# KiCad board main - copyOK.kicad_pcb (continued)
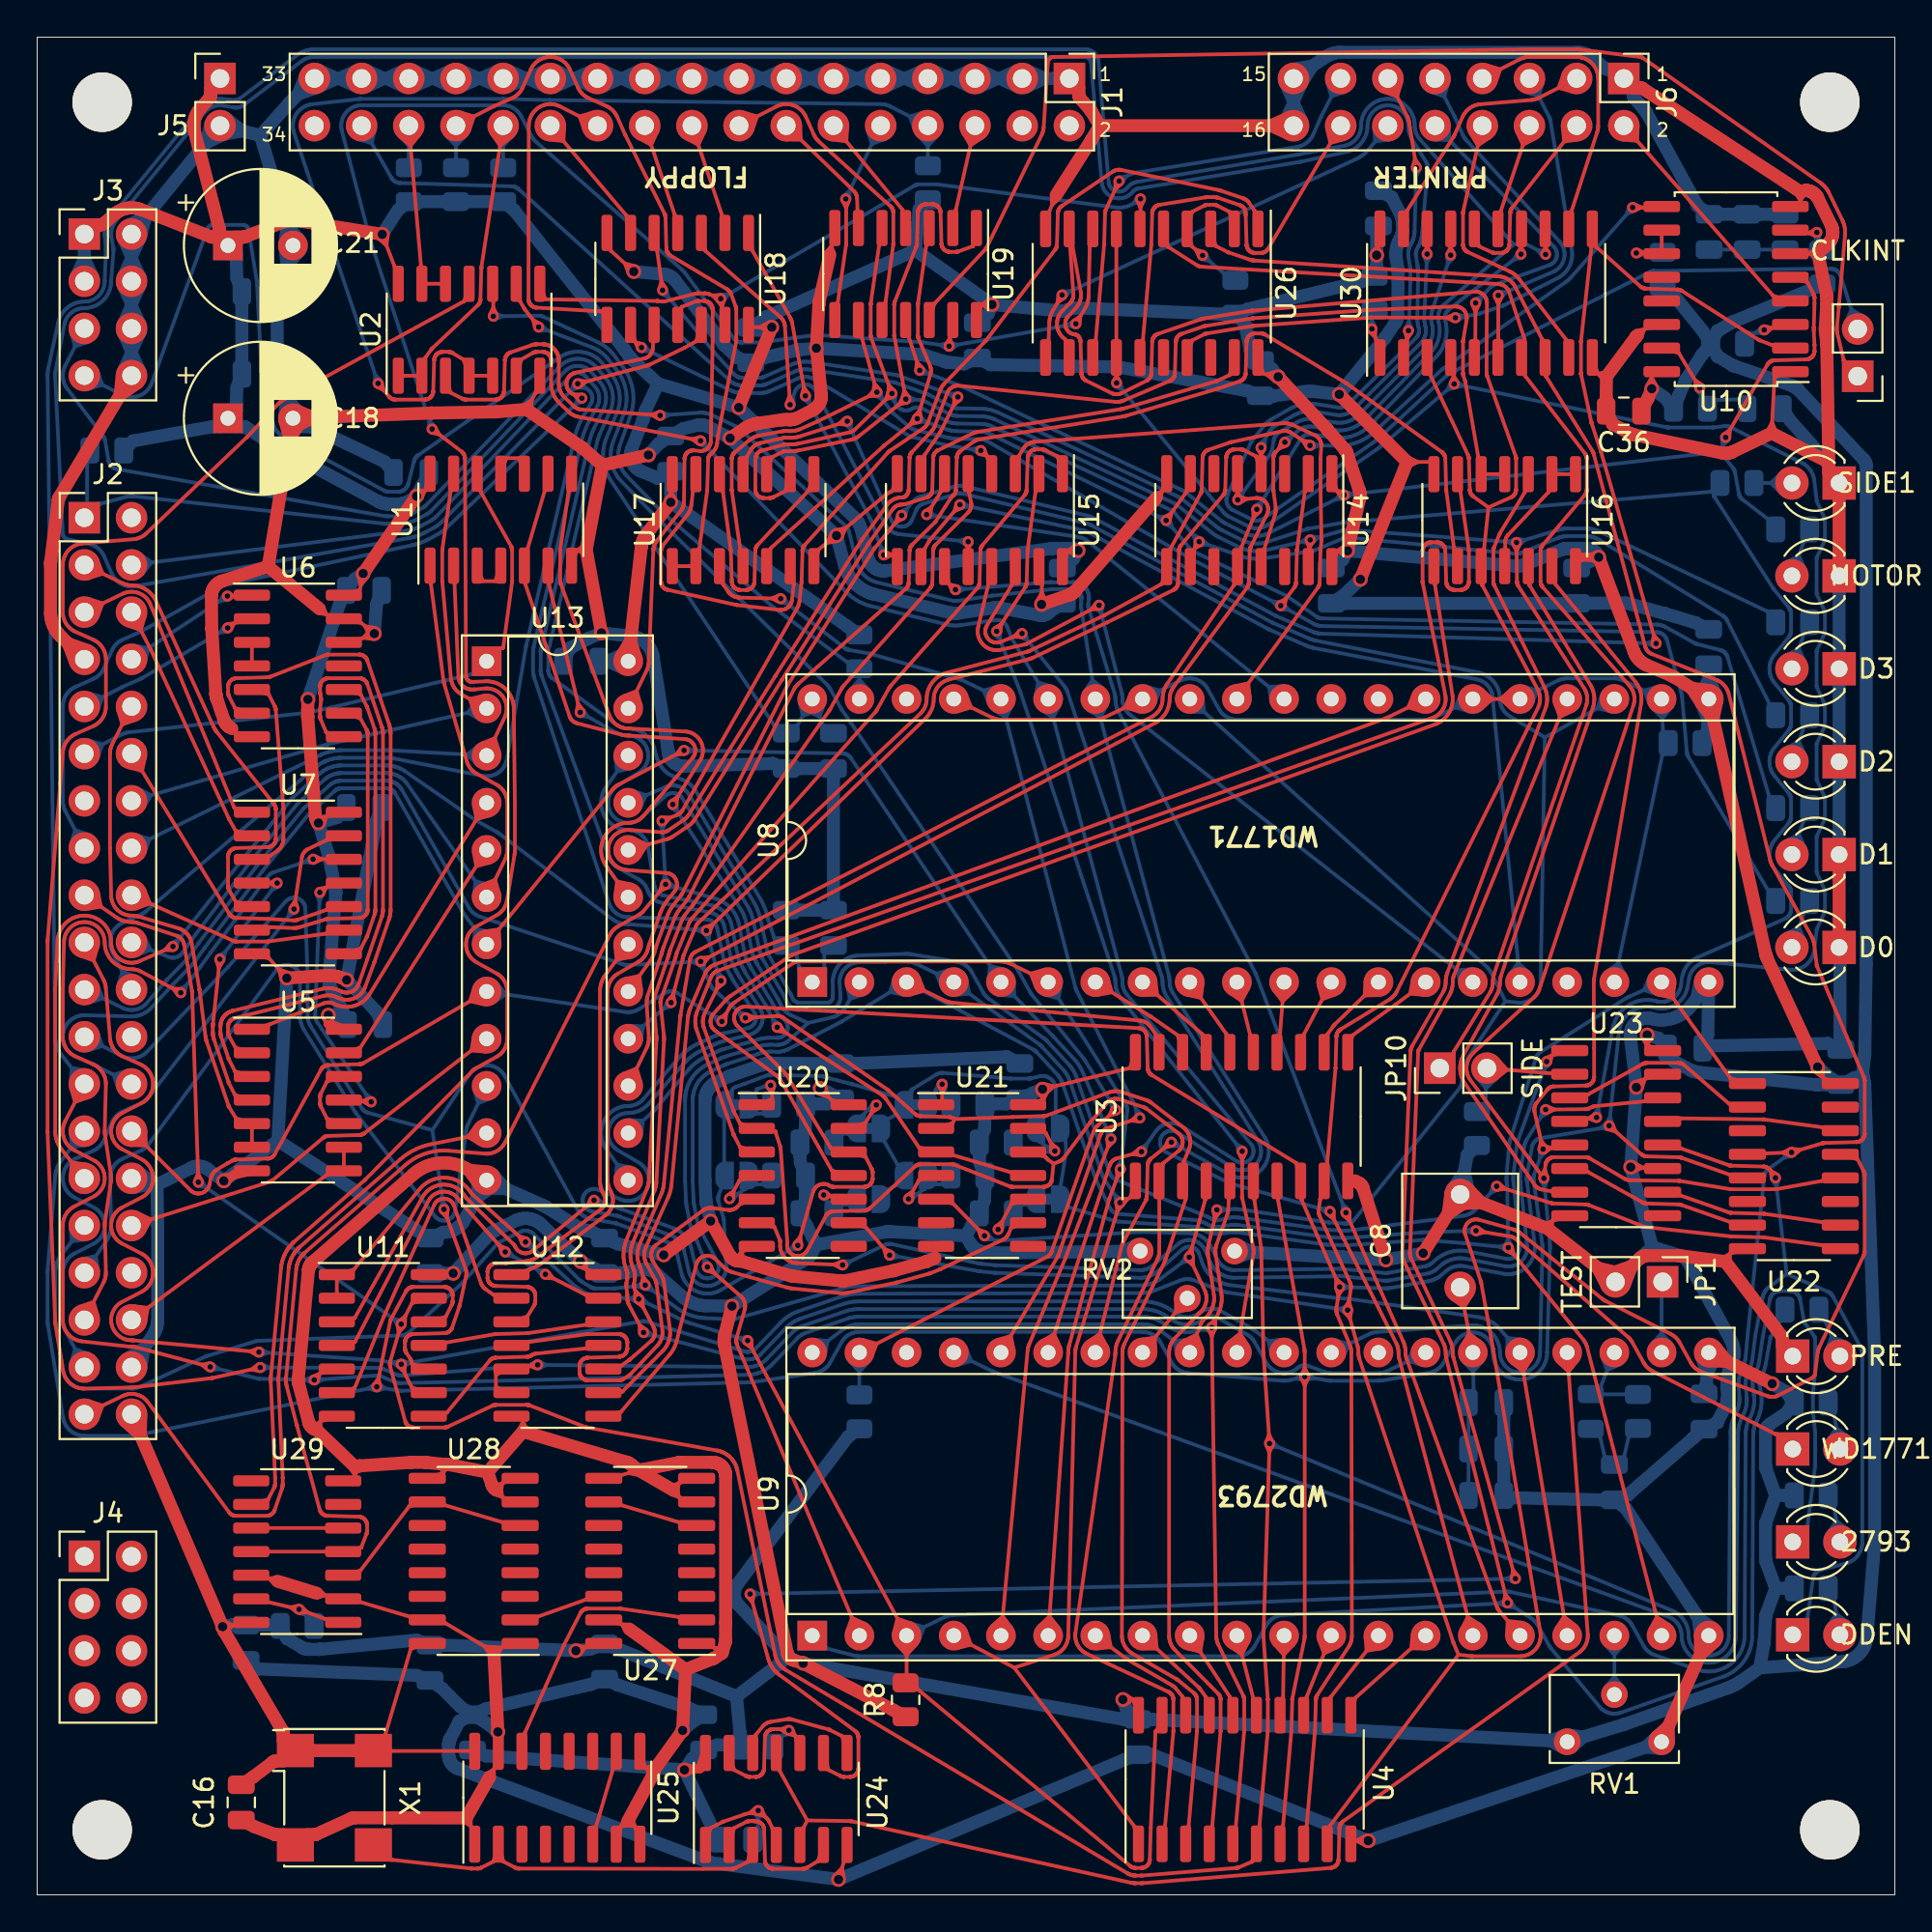
[diagram p0: board, top side]
## Routing (per net, layer and track width the routed paths; a pad name or vN(x,y) marks a point on that pad's centre or on a via; arc(x,y) is an arc through that point) (continued)
Net-(U1-Pad10): length 2.5
  Top w0.2: 26.23,76.5 25.93,77.34 25.26,77.34 24.96,76.5
Net-(U2-Pad3): length 103.3
  Top w0.2: v2(33.54,79.64) 29.28,79.96 29.25,79.96 29.22,79.97 29.19,79.97 29.16,79.98 29.13,79.99 29.1,80 29.07,80.01 29.05,80.02 29.02,80.04 28.99,80.05 28.97,80.07 28.95,80.09 28.92,80.1 28.9,80.12 28.4,80.61 28.36,80.64 28.33,80.68 28.29,80.72 28.26,80.76 28.23,80.81 28.21,80.85 28.18,80.9 28.16,80.94 28.14,80.99 28.13,81.04 28.11,81.09 28.1,81.14 28.09,81.19 28.09,81.24 28.08,81.29 28.08,81.34 28.08,82.5 28.08,82.6 28.08,82.64 28.08,82.66 28.07,82.71 28.07,82.73 28.07,82.75 28.06,82.77 28.06,82.79 28.05,82.84 28.04,82.86 28.04,82.88 28.03,82.9 28.02,82.92 28.01,82.94 27.99,82.98 27.98,83 27.97,83.02 27.96,83.04 27.95,83.05 27.94,83.07 27.91,83.11 27.9,83.13 27.89,83.14 27.88,83.16 27.86,83.18 27.85,83.19 27.82,83.22 27.8,83.24 27.79,83.25 27.77,83.27 27.75,83.28 27.74,83.29 27.7,83.32 27.68,83.33 27.66,83.34 27.65,83.35 27.63,83.36 27.61,83.37 27.56,83.4 27.54,83.4 27.53,83.41 27.51,83.42 27.49,83.43 27.47,83.43 27.42,83.44 27.4,83.45 27.38,83.45 27.36,83.46 27.34,83.46 27.32,83.46 27.27,83.47 27.23,83.47 27.21,83.47 26.91,83.47 26.87,83.47 26.83,83.47 26.8,83.46 26.78,83.46 26.76,83.46 26.74,83.45 26.72,83.45 26.66,83.43 26.63,83.42 25.49,83.03 25.46,83.02 ; v2(61.06,40.52) 59.95,39.63 59.93,39.61 59.9,39.58 59.88,39.56 59.86,39.52 59.84,39.5 59.83,39.48 59.81,39.44 59.81,39.42 59.8,39.4 59.79,39.37 59.79,39.34 59.78,39.29 59.78,39.28 59.73,37.59 59.73,37.57 59.73,37.53 59.72,37.51 59.72,37.49 59.71,37.45 59.7,37.43 59.69,37.41 59.67,37.37 58.47,35.15 58.45,35.11 58.44,35.08 58.42,35.05 58.41,35.01 58.4,34.98 58.38,34.94 58.38,34.9 U9.34 ; 33.44,79.46 33.06,79.67 33.47,79.83 ; 25.04,80.67 25.02,80.65 25,80.63 24.98,80.61 24.96,80.59 24.95,80.58 24.92,80.56 24.89,80.55 24.88,80.54 24.84,80.52 24.82,80.51 24.8,80.51 24.77,80.5 24.74,80.49 24.72,80.49 24.68,80.49 24.67,80.49 23.1,80.49 23.07,80.49 23.04,80.49 23.01,80.5 22.99,80.5 22.96,80.51 22.93,80.52 22.92,80.53 22.88,80.54 22.25,80.86 22.25,80.86 U2.3 ; 25.04,80.67 25.06,80.7 25.07,80.73 25.08,80.74 25.1,80.78 25.11,80.8 25.11,80.82 25.12,80.85 25.13,80.88 25.13,80.9 25.13,80.94 25.18,82.61 25.18,82.65 25.19,82.68 25.19,82.71 25.2,82.74 25.21,82.77 25.23,82.81 25.24,82.83 25.25,82.85 25.28,82.88 25.29,82.9 25.32,82.93 25.34,82.95 25.36,82.96 25.39,82.99 25.42,83 25.46,83.02 ; 57.58,29.53 57.21,30.2 56.57,29.78 ; 60.88,40.61 60.68,40.22 61.1,40.33
  Bottom w0.2: v2(33.54,79.64) 35.61,79.78 35.68,79.79 35.75,79.79 35.82,79.78 35.89,79.78 35.96,79.77 36.03,79.75 36.09,79.74 36.16,79.72 36.23,79.7 36.29,79.67 36.36,79.64 37.6,79.05 ; 33.61,79.82 34.02,79.67 33.63,79.46 ; 56.58,63.79 57.23,63.37 57.58,64.05 ; 57.4,64.92 56.8,65.4 56.38,64.76 ; v2(61.06,40.52) 64.17,38.78 64.25,38.74 64.33,38.7 64.41,38.67 64.49,38.65 64.58,38.63 64.67,38.61 64.75,38.6 64.84,38.6 64.93,38.6 65.02,38.6 65.11,38.62 65.19,38.63 65.28,38.66 65.36,38.68 65.44,38.72 65.52,38.75 65.6,38.8 65.67,38.84 65.74,38.9 65.81,38.95 65.88,39.01 65.94,39.08 65.99,39.14 66.05,39.22 66.09,39.29 66.14,39.37 66.17,39.45 66.21,39.53 66.24,39.61 66.26,39.7 66.28,39.78 66.29,39.87 66.3,39.96 66.3,40.05 66.29,40.13 66.28,40.22 66.27,40.31 66.25,40.39 66.22,40.48 66.19,40.56 66.16,40.64 66.12,40.72 66.07,40.79 61.13,48.55 61.1,48.6 61.08,48.64 61.06,48.69 61.04,48.74 61.02,48.78 61.01,48.83 60.99,48.88 60.98,48.93 60.97,48.98 60.97,49.03 60.96,49.08 60.96,49.13 60.96,49.19 60.96,49.24 60.95,49.3 60.95,49.35 60.94,49.4 60.93,49.46 60.91,49.51 ; 61.04,40.32 61.47,40.28 61.22,40.64 ; 60.91,49.51 U8.34 56.2,69.27 56.2,69.3 56.2,69.33 56.19,69.36 56.19,69.4 56.19,69.43 56.19,69.46 56.21,69.75 56.21,69.81 56.21,69.84 56.21,69.87 56.2,69.9 56.2,69.91 56.19,69.94 56.18,69.97 56.18,69.99 56.15,70.03 56.14,70.06 56.13,70.07 56.1,70.12 56.08,70.14 56.07,70.15 56.05,70.17 56.02,70.19 56,70.21 55.97,70.23 55.95,70.24 55.93,70.25 55.91,70.25 55.89,70.26 55.83,70.27 55.77,70.28 55.71,70.29 55.66,70.29 54.71,70.29 54.65,70.29 54.59,70.28 51.44,69.94 51.4,69.93 51.36,69.93 49.53,69.65 49.5,69.65 49.47,69.65 49.45,69.65 49.42,69.65 49.39,69.65 49.37,69.65 49.34,69.65 49.32,69.66 49.29,69.66 45.21,70.65 45.13,70.67 45.05,70.7 44.98,70.73 44.9,70.77 44.83,70.8 44.75,70.85 44.69,70.89 44.62,70.94 44.56,71 44.49,71.06 44.44,71.12 44.38,71.18 44.33,71.25 44.29,71.32 44.24,71.39 44.21,71.46 44.17,71.54 44.14,71.62 44.11,71.69 44.09,71.77 43.72,73.33 43.71,73.37 43.7,73.4 43.69,73.43 43.67,73.47 43.66,73.5 43.64,73.53 43.62,73.56 43.6,73.59 43.58,73.62 43.56,73.64 43.53,73.67 43.51,73.69 37.78,78.94 37.76,78.95 37.74,78.97 37.72,78.99 37.7,79 37.68,79.02 37.65,79.03 37.63,79.04 37.61,79.05
Net-(U2-Pad6): length 93.9
  Top w0.2: v2(35.71,78.27) 29.12,79.57 29.08,79.58 29.03,79.59 28.99,79.6 28.94,79.62 28.9,79.64 28.85,79.66 28.81,79.68 28.77,79.71 28.73,79.74 28.69,79.77 28.65,79.8 28.62,79.83 28.11,80.31 28.06,80.36 28.01,80.41 27.97,80.47 27.93,80.53 27.89,80.59 27.85,80.65 27.82,80.72 27.79,80.78 27.76,80.85 27.74,80.92 27.72,80.99 27.7,81.06 27.69,81.13 27.68,81.2 27.67,81.27 27.67,81.34 27.67,82.5 27.67,82.61 27.67,82.63 27.67,82.66 27.66,82.69 27.66,82.71 27.65,82.74 27.64,82.77 27.63,82.78 27.62,82.81 27.6,82.84 27.59,82.85 27.57,82.88 27.56,82.9 27.54,82.92 27.52,82.94 27.5,82.96 27.46,82.98 27.44,83 27.42,83.01 ; U2.6 26.08,82.66 26.68,83 26.72,83.02 26.74,83.03 26.77,83.04 26.81,83.05 26.84,83.06 26.89,83.06 26.91,83.06 27.21,83.06 27.24,83.06 27.27,83.06 27.3,83.05 27.32,83.05 27.35,83.04 27.38,83.03 27.42,83.01 ; 55.06,29.48 54.75,30.18 54.08,29.8 ; v2(59.45,40) 58.15,39.66 58.12,39.65 58.09,39.63 58.06,39.62 58.03,39.61 58,39.59 57.97,39.57 57.94,39.55 57.92,39.53 57.89,39.51 57.87,39.49 57.84,39.46 57.82,39.43 57.8,39.41 57.79,39.38 57.77,39.35 57.76,39.32 57.74,39.29 57.73,39.26 U9.35 ; 59.41,39.81 58.98,39.88 59.32,40.16 ; 35.67,78.47 35.24,78.37 35.6,78.11
  Bottom w0.2: 54.62,65.04 53.89,65.27 53.74,64.51 ; 55.04,64.05 54.69,63.37 54.04,63.79 ; 58.37,49.51 58.39,49.46 58.4,49.4 58.41,49.35 58.41,49.3 58.42,49.24 58.42,49.19 58.42,49.13 58.42,49.08 58.43,49.03 58.43,48.97 58.44,48.92 58.45,48.87 58.47,48.82 58.49,48.77 58.51,48.72 58.53,48.67 58.55,48.62 58.58,48.57 58.61,48.53 58.64,48.49 58.67,48.44 65.34,40.42 65.36,40.39 65.38,40.36 65.4,40.32 65.42,40.29 65.43,40.26 65.45,40.22 65.46,40.18 65.46,40.15 65.47,40.11 65.48,40.07 65.48,40.04 65.48,40 65.47,39.96 65.47,39.92 65.46,39.89 65.45,39.85 65.44,39.82 65.43,39.78 65.41,39.75 65.39,39.71 65.37,39.68 65.35,39.65 65.32,39.62 65.3,39.6 65.27,39.57 65.24,39.55 65.21,39.52 65.18,39.5 65.15,39.49 65.11,39.47 65.08,39.45 65.04,39.44 65.01,39.43 64.97,39.43 64.93,39.42 64.9,39.42 64.86,39.42 64.82,39.42 64.78,39.42 64.75,39.43 64.71,39.44 64.67,39.45 64.64,39.46 64.6,39.48 64.57,39.49 64.54,39.51 61.6,41.38 61.55,41.41 61.5,41.44 61.44,41.46 61.39,41.48 61.33,41.5 61.27,41.52 61.21,41.53 61.15,41.53 61.09,41.54 61.04,41.54 60.98,41.54 60.92,41.53 60.86,41.52 60.8,41.51 60.74,41.49 60.69,41.47 60.63,41.45 60.58,41.42 60.52,41.39 60.47,41.36 60.43,41.32 60.38,41.28 60.34,41.24 60.3,41.2 60.26,41.15 60.22,41.11 v2(59.45,40) ; 35.9,78.34 36.05,77.93 35.64,78.09 ; 49.72,68.35 51.56,68.62 51.59,68.63 51.63,68.63 51.66,68.63 51.69,68.63 51.73,68.62 51.76,68.62 51.79,68.61 51.83,68.6 51.86,68.59 51.89,68.58 51.92,68.56 51.95,68.55 51.98,68.53 52.01,68.51 52.04,68.49 52.06,68.47 52.09,68.44 52.11,68.42 52.13,68.39 52.15,68.37 52.17,68.34 52.19,68.31 52.2,68.28 52.22,68.25 52.45,67.67 52.46,67.64 52.48,67.61 52.49,67.58 U8.35 58.37,49.51 ; 59.34,40.18 59.72,40.4 59.64,39.97 ; v2(35.71,78.27) 43.52,70.16 43.62,70.06 43.72,69.98 43.82,69.89 43.93,69.81 44.04,69.74 44.16,69.67 44.27,69.6 44.4,69.54 44.52,69.49 44.64,69.44 44.77,69.4 44.9,69.37 48.98,68.38 49.06,68.36 49.14,68.35 49.22,68.34 49.31,68.33 49.39,68.33 49.47,68.33 49.56,68.33 49.64,68.34 49.72,68.35
Net-(U3-Pad11): length 7.3
  Top w0.2: 74.05,49.27 73.91,48.51 74.67,48.44 ; U8.14 73.11,47.92 73.09,47.9 70.82,46.28 U3.11
Net-(U3-Pad12): length 6.5
  Top w0.2: 71.5,49.18 71.46,48.41 72.22,48.43 ; U3.12 69.47,46.34 69.47,46.34 69.76,46.75 69.78,46.77 69.79,46.79 69.8,46.81 69.82,46.82 69.83,46.84 69.85,46.85 U8.13
Net-(U3-Pad13): length 5.7
  Top w0.2: 68.98,48.96 69.18,48.21 69.9,48.48 ; U8.12 68.2,46.34 68.2,46.34 U3.13
Net-(U3-Pad14): length 5.3
  Top w0.2: U8.11 66.9,46.34 U3.14 ; 67.6,48.62 67.04,48.1 66.57,48.7
Net-(U3-Pad15): length 5.4
  Top w0.2: U8.10 65.28,46.34 U3.15 ; 65.2,48.8 64.83,48.13 64.19,48.55
Net-(U3-Pad16): length 6
  Top w0.2: 61.89,48.45 62.64,48.28 62.74,49.05 ; U3.16 64.01,46.34 64.01,46.34 U8.9
Net-(U3-Pad17): length 6.8
  Top w0.2: U3.17 62.72,46.33 62.71,46.34 U8.8 ; 60.2,49.21 60.29,48.45 59.52,48.43
Net-(U3-Pad18): length 7.8
  Top w0.2: U3.18 61.39,46.28 59.97,47.27 59.93,47.29 59.92,47.3 U8.7 ; 57.09,48.45 57.85,48.59 57.64,49.33
Net-(U4-Pad11): length 7.6
  Top w0.2: 74.05,14.03 73.96,13.27 74.73,13.25 ; U9.14 70.97,10.61 U4.11
Net-(U4-Pad12): length 6.7
  Top w0.2: U9.13 69.64,10.66 69.63,10.65 U4.12 ; 71.5,13.9 71.56,13.13 72.32,13.27
Net-(U4-Pad13): length 6.1
  Top w0.2: 69.01,13.71 69.27,12.99 69.97,13.32 ; U9.12 68.34,10.66 68.34,10.66 U4.13
Net-(U4-Pad14): length 5.8
  Top w0.2: U9.11 67.07,10.66 U4.14 ; 66.6,13.49 67.11,12.92 67.63,13.48
Net-(U4-Pad15): length 6
  Top w0.2: 65.2,13.63 64.85,12.95 64.2,13.37 ; U9.10 65.45,10.65 U4.15
Net-(U4-Pad16): length 6.5
  Top w0.2: 62.73,13.84 62.61,13.09 61.87,13.28 ; U9.9 64.2,10.66 64.2,10.66 U4.16
Net-(U4-Pad17): length 7.3
  Top w0.2: 59.5,13.25 60.27,13.25 60.2,14.02 ; U9.8 62.51,11.18 62.53,11.16 62.55,11.15 62.56,11.13 62.57,11.12 62.59,11.1 62.6,11.08 62.61,11.07 62.9,10.66 62.91,10.65 U4.17
Net-(U4-Pad18): length 8.3
  Top w0.2: 58.74,12.64 58.71,12.66 58.68,12.68 58.65,12.7 58.62,12.72 58.59,12.74 U9.7 ; 57.65,14.09 57.8,13.33 57.03,13.26 ; 58.74,12.64 61.09,11.28 61.12,11.27 61.14,11.25 61.16,11.23 61.19,11.22 61.21,11.2 61.23,11.18 61.25,11.16 61.27,11.14 61.29,11.12 61.66,10.66 61.66,10.66 U4.18
Net-(U5-Pad2): length 38.6
  Top w0.2: U5.2 10.67,45.61 10.33,46.22 10.32,46.25 10.31,46.28 10.3,46.3 10.29,46.35 10.28,46.37 10.28,46.42 10.28,46.44 10.28,46.74 10.28,46.77 10.28,46.81 10.28,46.83 10.29,46.85 10.3,46.88 10.31,46.91 10.32,46.95 10.34,46.97 10.35,47 10.37,47.03 10.39,47.05 10.41,47.07 10.43,47.09 10.45,47.11 10.49,47.13 10.51,47.15 10.55,47.17 10.58,47.18 10.6,47.19 10.63,47.19 15.42,48.39 15.47,48.4 15.52,48.41 15.58,48.42 15.63,48.42 15.69,48.42 15.74,48.42 15.8,48.42 15.85,48.41 15.9,48.4 15.96,48.38 16.01,48.37 16.06,48.35 16.11,48.33 16.16,48.31 16.17,48.3 16.23,48.27 16.29,48.25 16.35,48.23 16.41,48.21 16.47,48.2 16.53,48.19 16.59,48.19 16.65,48.18 16.72,48.18 16.78,48.19 16.84,48.2 16.9,48.21 16.96,48.23 17.02,48.25 17.08,48.27 17.13,48.29 17.19,48.32 17.24,48.36 17.29,48.39 17.34,48.43 17.39,48.47 17.43,48.51 17.48,48.56 17.51,48.61 17.55,48.66 17.58,48.71 17.61,48.77 17.64,48.82 17.66,48.88 18.15,50.21 18.16,50.22 18.94,52.51 18.95,52.55 18.96,52.59 18.97,52.62 18.98,52.67 18.99,52.71 19,52.75 19.01,52.8 19.01,52.84 19.02,52.89 19.02,52.94 19.02,52.97 19.03,52.99 19.03,53.02 19.03,53.05 19.03,62.49 19.03,62.52 19.03,62.55 19.02,62.57 19.02,62.6 19.02,62.65 19.01,62.7 19.01,62.74 19,62.79 18.99,62.83 18.98,62.87 18.97,62.93 18.96,62.97 18.95,63.01 18.94,63.03 17.77,66.45 17.76,66.48 17.74,66.52 17.73,66.54 17.72,66.56 17.7,66.58 17.68,66.61 17.67,66.62 17.65,66.64 17.63,66.66 17.59,66.69 17.57,66.7 17.54,66.71 17.51,66.73 17.48,66.74 17.47,66.74 17.43,66.75 17.41,66.76 17.36,66.76 17.34,66.76 15.69,66.76 15.66,66.76 15.62,66.76 15.6,66.75 15.58,66.75 15.54,66.74 15.52,66.73 12.55,65.57 12.52,65.56 12.48,65.55 12.46,65.55 12.44,65.54 12.4,65.54 10.73,65.49 10.68,65.49 10.66,65.49 10.63,65.48 10.6,65.47 10.57,65.46 10.53,65.44 10.51,65.43 10.48,65.42 10.45,65.4 10.43,65.38 10.41,65.36 10.39,65.33 10.37,65.32 10.35,65.28 10.33,65.25 10.31,65.21 10.3,65.19 10.29,65.16 10.29,65.13 10.28,65.1 10.28,65.05 10.28,65.03 10.28,64.73 10.28,64.71 10.28,64.67 10.28,64.64 10.29,64.63 10.3,64.59 10.31,64.57 10.32,64.52 10.33,64.52 10.65,63.89 10.65,63.88 U6.6
Net-(U5-Pad3): length 34.8
  Top w0.2: 17.54,65.44 17.57,65.43 17.59,65.42 17.62,65.4 17.64,65.38 17.65,65.37 17.68,65.34 17.69,65.32 17.71,65.31 17.73,65.28 17.74,65.25 17.75,65.24 17.76,65.2 17.77,65.18 18.55,62.9 18.56,62.85 18.58,62.81 18.58,62.78 18.59,62.75 18.6,62.71 18.6,62.68 18.61,62.65 18.61,62.62 18.61,62.57 18.62,62.53 18.62,62.49 18.62,53.05 18.62,53.01 18.61,52.97 18.61,52.92 18.61,52.89 18.6,52.86 18.6,52.83 18.59,52.79 18.58,52.76 18.57,52.72 18.56,52.69 18.55,52.64 17.77,50.36 17.77,50.35 17.31,49.03 17.29,48.99 17.28,48.95 17.26,48.92 17.24,48.88 17.21,48.85 17.19,48.82 17.16,48.79 17.13,48.76 17.1,48.73 17.07,48.71 17.04,48.68 17.01,48.66 16.97,48.64 16.93,48.62 16.9,48.61 16.86,48.6 16.82,48.59 16.78,48.58 16.74,48.57 16.7,48.57 16.66,48.57 16.62,48.57 16.58,48.57 16.54,48.58 16.5,48.59 16.46,48.6 16.42,48.61 16.39,48.63 16.35,48.64 16.34,48.65 16.27,48.68 16.2,48.71 16.13,48.73 16.06,48.76 15.99,48.77 15.92,48.79 15.84,48.8 15.77,48.8 15.7,48.81 15.62,48.81 15.55,48.8 15.48,48.79 15.4,48.78 15.33,48.77 10.54,47.59 10.5,47.58 10.48,47.58 10.46,47.57 10.44,47.56 10.42,47.56 10.4,47.55 10.35,47.53 10.34,47.52 10.32,47.51 10.3,47.5 10.28,47.49 10.27,47.48 10.22,47.45 10.21,47.43 10.19,47.42 10.18,47.41 10.16,47.4 10.15,47.38 10.11,47.35 10.1,47.33 10.08,47.32 10.07,47.3 10.06,47.29 10.05,47.27 10.01,47.23 10,47.21 9.99,47.2 9.98,47.18 9.97,47.16 9.96,47.14 9.94,47.1 9.93,47.08 9.92,47.06 9.92,47.04 9.91,47.02 9.9,47 9.89,46.96 9.89,46.94 9.88,46.92 9.88,46.9 9.88,46.88 9.87,46.86 9.87,46.8 9.87,46.77 9.87,46.74 9.87,46.44 9.87,46.41 9.87,46.35 9.87,46.33 9.88,46.31 9.88,46.29 9.88,46.27 9.89,46.25 9.9,46.21 9.91,46.17 10.3,45.02 10.31,44.99 10.33,44.96 10.65,44.33 10.65,44.33 U5.3 ; U6.8 15.56,62.58 15.56,62.59 15.26,63.29 15.25,63.32 15.24,63.36 15.23,63.39 15.23,63.44 15.23,63.46 15.23,63.76 15.23,63.79 15.23,63.82 15.28,64.27 15.28,64.3 15.28,64.33 15.28,64.36 15.28,64.39 15.28,64.42 15.28,64.44 15.27,64.47 15.27,64.5 15.26,64.53 ; 15.27,65.24 15.29,65.26 15.3,65.28 15.32,65.32 15.34,65.33 15.36,65.36 15.38,65.38 15.4,65.4 15.44,65.42 15.46,65.44 15.5,65.45 15.53,65.47 15.55,65.47 15.59,65.48 15.61,65.49 15.67,65.49 15.69,65.49 17.34,65.49 17.36,65.49 17.4,65.49 17.43,65.48 17.44,65.48 17.48,65.47 17.5,65.46 17.54,65.44 ; 15.26,64.53 15.24,64.63 15.23,64.65 15.23,64.68 15.23,64.72 15.23,64.73 15.23,65.03 15.23,65.06 15.23,65.1 15.23,65.12 15.24,65.14 15.25,65.17 15.26,65.2 15.27,65.24
Net-(U5-Pad4): length 18.3
  Top w0.2: U7.4 12.44,54.47 12.54,54.47 ; 10.31,43.72 10.33,43.69 10.65,43.06 10.65,43.06 U5.4 ; 12.54,54.47 12.82,54.64 ; 12.54,54.47 v2(12.92,54.47) ; 12.54,54.47 12.82,54.3 ; v2(9.83,50.37) 9.46,46.89 9.46,46.84 9.46,46.8 9.46,46.76 9.46,46.74 9.46,46.44 9.46,46.41 9.46,46.37 9.46,46.31 9.47,46.28 9.47,46.25 9.47,46.22 9.48,46.19 9.49,46.16 9.5,46.11 9.51,46.07 9.52,46.04 10.3,43.75 10.31,43.72 ; 9.64,50.3 9.78,49.89 10,50.26
  Bottom w0.2: 10.03,50.32 10.12,50.75 9.74,50.54 ; 12.73,54.51 12.63,54.08 13.02,54.29 ; v2(9.83,50.37) v2(12.92,54.47)
Net-(U5-Pad10): length 4.1
  Top w0.2: 15.26,42.45 15.28,42.42 15.6,41.79 15.6,41.79 U5.10 ; U5.12 15.6,43.78 15.6,43.78 15.28,43.15 15.26,43.11 15.25,43.08 15.24,43.07 15.24,43.03 15.23,43.01 15.23,42.95 15.23,42.93 15.23,42.63 15.23,42.61 15.23,42.57 15.23,42.54 15.24,42.53 15.25,42.49 15.26,42.47 15.26,42.45
Net-(U5-Pad11): length 18.5
  Top w0.2: U5.11 17.39,42.73 17.49,42.73 17.5,42.73 v2(17.98,42.69) ; U7.11 15.56,54.23 15.56,54.23 ; 17.88,42.51 17.5,42.73 17.92,42.87 ; 15.56,54.23 v2(15.22,53.96) ; 15.56,54.23 15.4,53.88 ; 15.56,54.23 15.18,54.16
  Bottom w0.2: v2(15.22,53.96) 14.97,47.38 14.97,47.35 14.97,47.31 14.97,47.28 14.97,47.24 14.98,47.21 14.99,47.17 15,47.14 15.01,47.11 15.02,47.08 15.04,47.04 15.05,47.01 15.07,46.98 15.09,46.95 v2(17.98,42.69) ; 18.09,42.86 17.71,43.08 17.78,42.65 ; 15.03,53.89 15.2,53.48 15.39,53.87
Net-(U6-Pad3): length 1.3
  Top w0.2: U6.4 U6.3
Net-(U6-Pad5): length 11
  Top w0.2: U6.5 12.47,64.61 12.47,64.61 12.79,63.98 12.81,63.94 12.82,63.91 12.83,63.89 12.84,63.86 12.84,63.83 12.84,63.82 12.85,63.79 13.25,58.48 13.26,58.45 13.26,58.43 13.26,56.86 13.26,56.82 13.25,56.79 13.25,56.75 13.25,56.73 13.24,56.71 13.24,56.69 13.24,56.67 13.22,56.62 13.21,56.59 13.2,56.55 13.19,56.52 13.17,56.49 13.16,56.46 13.14,56.42 13.12,56.4 13.1,56.37 13.08,56.34 13.05,56.31 13.03,56.29 13,56.26 12.97,56.24 12.94,56.22 12.54,55.93 12.53,55.93 U7.3
Net-(U6-Pad9): length 17.9
  Top w0.2: U6.9 17.4,63.33 17.74,62.72 17.75,62.7 17.76,62.67 17.77,62.64 17.78,62.62 17.79,62.59 17.79,62.56 17.79,62.55 17.8,62.5 17.8,62.49 17.8,53.05 17.8,53.02 17.79,52.99 17.79,52.96 17.78,52.94 17.77,52.91 17.77,52.88 17.76,52.87 17.74,52.83 17.73,52.81 17.72,52.79 17.7,52.77 17.68,52.74 17.67,52.73 17.65,52.71 17.63,52.69 17.61,52.68 17.58,52.66 17.56,52.64 17.54,52.64 17.51,52.62 17.49,52.61 17.47,52.61 17.43,52.6 17.41,52.59 17.39,52.59 17.35,52.59 15.68,52.54 15.63,52.54 15.61,52.53 15.58,52.53 15.55,52.52 14.12,52.09 14.08,52.08 14.04,52.07 14,52.06 13.96,52.05 13.91,52.05 13.87,52.04 13.83,52.04 13.79,52.04 12.54,52.09 12.54,52.09 U7.6
Net-(U6-Pad10): length 15.9
  Top w0.2: U7.8 17.42,50.93 17.42,50.93 17.74,51.56 17.76,51.61 17.77,51.63 18.16,52.78 18.17,52.81 18.19,52.86 18.19,52.88 18.19,52.9 18.2,52.92 18.2,52.94 18.2,53 18.21,53.04 18.21,53.05 18.21,62.49 18.21,62.53 18.2,62.56 18.2,62.6 18.2,62.62 18.19,62.64 18.19,62.66 18.19,62.68 18.17,62.73 18.16,62.76 17.77,63.91 17.76,63.94 17.74,63.98 17.42,64.61 17.42,64.61 U6.10
Net-(U11-Pad4): length 24.7
  Top w0.2: 25,34.55 24.87,34.96 25.27,34.79 ; 27.51,33.53 27.78,33.19 27.35,33.2 ; U12.13 29.51,32.3 29.51,32.31 v2(27.36,33.4) ; v2(25.19,34.61) 22.83,37.25 22.8,37.28 22.77,37.32 22.75,37.35 22.72,37.39 22.69,37.43 22.68,37.44 22.65,37.49 22.61,37.53 22.57,37.58 22.53,37.62 22.48,37.65 22.44,37.69 22.39,37.72 22.34,37.75 22.29,37.77 22.23,37.79 22.18,37.81 22.12,37.83 22.07,37.84 22.01,37.85 21.95,37.85 21.9,37.86 21.84,37.85 21.78,37.85 21.73,37.84 21.67,37.83 21.61,37.81 21.56,37.79 21.51,37.77 21.45,37.75 21.4,37.72 21.36,37.69 21.31,37.65 21.27,37.61 21.22,37.58 21.18,37.53 21.15,37.49 21.11,37.44 21.08,37.39 21.05,37.34 17.11,29.77 17.1,29.76 U11.4
  Bottom w0.2: 27.2,33.29 26.94,33.64 27.37,33.6 ; 25.36,34.73 25.61,34.37 25.18,34.41 ; v2(27.36,33.4) v2(25.19,34.61)
Net-(U11-Pad6): length 19.4
  Top w0.2: U11.6 17.08,27.27 17.09,27.28 17.39,27.98 17.39,27.99 18.65,31.11 18.67,31.14 21.37,37.14 21.39,37.17 21.41,37.2 21.43,37.23 21.45,37.26 21.47,37.29 21.49,37.31 21.52,37.34 21.55,37.36 21.57,37.38 21.6,37.4 21.63,37.42 21.67,37.43 21.7,37.44 21.73,37.46 21.77,37.46 21.8,37.47 21.84,37.48 21.87,37.48 21.91,37.48 21.94,37.48 21.98,37.47 22.01,37.47 22.05,37.46 22.08,37.45 22.11,37.44 22.14,37.42 22.18,37.41 22.21,37.39 22.23,37.37 22.26,37.35 22.29,37.33 22.31,37.3 22.34,37.28 22.36,37.25 22.38,37.22 22.4,37.19 22.41,37.16 22.43,37.13 22.44,37.09 23.88,32.95 23.9,32.92 23.91,32.88 23.92,32.85 23.94,32.82 23.96,32.79 23.98,32.77 24,32.74 24.02,32.71 24.04,32.69 24.07,32.66 24.09,32.64 24.12,32.62 24.15,32.6 24.56,32.31 24.56,32.3 U12.2
Net-(U11-Pad8): length 10.8
  Top w0.2: U11.8 22.05,25.95 22.06,25.96 24.35,28.75 24.37,28.77 24.4,28.8 24.42,28.81 24.44,28.83 24.47,28.85 24.49,28.86 24.53,28.88 24.56,28.89 24.57,28.9 24.61,28.91 24.63,28.91 24.69,28.92 24.7,28.92 26.37,28.97 26.38,28.97 26.42,28.97 26.44,28.97 26.46,28.98 26.5,28.99 26.52,29 26.55,29.01 26.58,29.03 26.63,29.05 26.65,29.07 26.68,29.08 26.7,29.09 26.72,29.1 26.75,29.11 26.77,29.12 26.8,29.12 26.83,29.13 26.85,29.13 26.88,29.14 29.51,29.41 U12.11
Net-(U11-Pad11): length 9.5
  Top w0.2: U11.11 22.06,29.74 24.63,30.18 24.65,30.18 24.7,30.19 26.37,30.24 26.38,30.24 26.43,30.24 29.51,30.68 U12.12
Net-(U12-Pad1): length 103.4
  Top w0.2: U12.1 26.46,33.64 26.47,33.65 26.9,33.85 26.94,33.87 26.97,33.89 27.01,33.91 27.05,33.93 27.08,33.95 27.11,33.97 27.15,34 30.59,36.58 30.63,36.61 30.68,36.65 30.72,36.69 30.76,36.74 30.8,36.78 30.83,36.83 30.86,36.88 30.89,36.94 30.91,36.99 30.94,37.04 30.95,37.1 30.97,37.16 30.98,37.22 30.99,37.28 30.99,37.33 31,37.39 30.99,37.45 30.99,37.51 30.98,37.57 30.97,37.63 30.95,37.69 30.93,37.74 30.91,37.8 30.89,37.85 30.86,37.9 30.83,37.96 30.81,38 30.79,38.05 30.77,38.1 30.75,38.15 30.74,38.2 30.73,38.26 30.72,38.31 30.71,38.36 30.71,38.41 30.71,38.47 30.71,48.63 30.71,48.69 30.71,48.75 30.72,48.81 30.73,48.87 30.75,48.93 30.77,48.99 30.79,49.04 30.81,49.1 30.84,49.15 30.87,49.21 30.9,49.26 30.94,49.31 30.98,49.35 31.02,49.4 31.06,49.44 31.11,49.48 31.16,49.52 31.21,49.55 31.26,49.59 32.36,50.22 32.41,50.25 32.45,50.28 32.5,50.32 32.54,50.35 32.58,50.39 32.62,50.43 32.65,50.47 32.69,50.51 32.72,50.56 32.75,50.6 32.78,50.65 32.8,50.7 32.82,50.75 32.84,50.8 32.86,50.86 32.87,50.91 32.88,50.93 32.89,50.99 32.91,51.04 32.93,51.1 32.94,51.15 32.96,51.21 33.52,52.79 33.55,52.88 33.59,52.97 33.63,53.06 33.68,53.15 33.72,53.24 33.78,53.32 33.83,53.41 33.89,53.49 33.95,53.57 34.31,54.01 34.33,54.04 34.35,54.07 34.37,54.11 34.38,54.14 34.4,54.17 34.41,54.21 34.42,54.24 34.43,54.28 34.44,54.32 34.44,54.35 34.44,54.39 34.44,54.43 34.44,54.46 34.43,54.5 34.43,54.53 34.42,54.57 34.4,54.61 34.39,54.64 34.38,54.67 34.36,54.7 34.34,54.74 34.32,54.77 34.29,54.79 34.27,54.82 34.24,54.85 34.21,54.87 34.19,54.89 34.15,54.91 34.12,54.93 34.09,54.95 34.06,54.96 34.02,54.98 33.99,54.99 33.95,54.99 33.91,55 33.88,55 31.73,55.17 31.67,55.18 31.6,55.19 31.54,55.2 31.47,55.22 31.41,55.24 31.35,55.27 31.29,55.3 31.23,55.34 31.18,55.37 31.13,55.41 31.08,55.46 31.03,55.5 30.99,55.55 30.95,55.61 30.91,55.66 30.87,55.72 30.84,55.78 30.82,55.84 30.79,55.9 30.77,55.96 30.76,56.03 30.75,56.09 30.74,56.16 30.74,56.23 30.74,56.29 30.74,56.36 30.75,56.42 30.76,56.49 30.78,56.55 30.8,56.62 30.83,56.68 30.85,56.74 30.89,56.8 30.92,56.85 30.96,56.91 31,56.96 31.05,57.01 31.1,57.05 31.15,57.09 31.2,57.13 31.26,57.17 31.31,57.2 31.37,57.23 31.44,57.26 31.5,57.28 31.56,57.3 31.63,57.31 31.69,57.32 31.76,57.32 31.83,57.33 31.89,57.32 33.59,57.2 33.62,57.2 33.66,57.2 33.69,57.2 33.72,57.21 33.75,57.21 33.78,57.22 33.81,57.23 33.84,57.24 33.87,57.25 33.9,57.26 33.92,57.27 33.95,57.29 33.98,57.31 34.79,57.85 34.82,57.88 34.86,57.9 34.89,57.93 34.92,57.96 34.95,57.99 34.98,58.02 35.01,58.05 35.03,58.09 35.06,58.12 35.08,58.16 39.74,65.61 39.75,65.63 44.36,72.9 44.39,72.93 44.41,72.97 45.76,74.82 45.79,74.86 45.82,74.9 45.85,74.94 45.89,74.97 45.93,75.01 45.97,75.04 46.01,75.06 46.05,75.09 46.1,75.12 46.14,75.14 46.19,75.16 46.24,75.17 46.29,75.19 46.33,75.2 46.38,75.21 46.43,75.22 46.48,75.22 46.55,75.22 46.58,75.22 46.6,75.23 46.63,75.23 46.65,75.24 46.68,75.25 46.7,75.26 46.73,75.28 46.75,75.3 46.77,75.32 46.8,75.34 46.81,75.36 46.82,75.37 ; 62.81,84.44 62.78,84.43 62.75,84.42 61.6,84.03 61.57,84.02 61.54,84 61.52,83.99 61.49,83.97 61.47,83.95 61.45,83.93 61.41,83.9 61.4,83.88 61.37,83.85 61.36,83.82 61.34,83.8 61.33,83.77 61.32,83.74 61.31,83.72 61.3,83.69 61.3,83.66 61.29,83.61 61.29,83.6 61.25,81.91 61.24,81.89 61.24,81.86 61.24,81.83 61.23,81.81 61.22,81.78 61.21,81.75 61.21,81.74 61.19,81.7 61.18,81.68 61.17,81.66 61.15,81.64 ; 61.15,81.64 61.14,81.62 61.12,81.6 61.09,81.58 61.07,81.56 61.06,81.55 61.03,81.53 61.01,81.51 60.99,81.51 60.96,81.49 58.5,80.45 58.46,80.43 58.42,80.42 58.37,80.4 58.33,80.39 58.28,80.38 58.23,80.37 58.19,80.37 58.14,80.37 58.09,80.37 58.05,80.37 58,80.37 49.62,81.24 49.59,81.24 49.55,81.24 49.52,81.24 49.48,81.24 49.45,81.23 49.42,81.22 49.38,81.21 49.35,81.2 49.32,81.19 49.29,81.17 49.26,81.16 49.23,81.14 49.2,81.12 49.17,81.1 49.14,81.08 49.12,81.05 49.1,81.02 49.07,81 49.05,80.97 49.04,80.94 49.02,80.91 49,80.88 48.99,80.85 48.33,79.1 48.32,79.06 48.3,79.02 48.28,78.98 48.25,78.94 48.23,78.9 48.21,78.86 48.18,78.83 48.15,78.79 48.12,78.76 47.08,77.66 47.07,77.64 47.04,77.6 47.03,77.58 47.01,77.56 47,77.52 46.99,77.5 46.98,77.48 46.97,77.45 46.97,77.42 46.96,77.37 46.96,77.36 46.92,75.64 46.91,75.62 46.91,75.59 46.91,75.56 46.9,75.54 46.89,75.51 46.88,75.48 46.88,75.47 46.86,75.44 46.85,75.41 46.84,75.4 46.82,75.38 ; 62.81,84.44 62.84,84.44 62.87,84.45 62.88,84.45 65.36,84.86 65.4,84.86 65.46,84.87 65.48,84.87 71.77,85.32 71.8,85.32 76.32,85.5 76.36,85.5 76.39,85.5 76.43,85.5 76.47,85.49 76.5,85.49 76.54,85.48 76.57,85.46 76.6,85.45 76.64,85.43 76.67,85.41 76.7,85.39 76.73,85.37 76.75,85.35 76.78,85.32 76.8,85.3 76.83,85.27 76.85,85.24 76.87,85.21 76.89,85.18 76.9,85.15 76.92,85.11 76.93,85.08 76.94,85.05 76.95,85.01 76.95,84.97 76.96,84.94 76.96,84.9 76.96,84.87 76.95,84.83 76.95,84.79 76.76,83.67 76.76,83.65 76.75,83.6 76.75,83.59 76.75,81.92 76.76,81.89 76.76,81.85 76.76,81.83 76.77,81.81 76.78,81.77 76.86,81.51 76.87,81.49 76.87,81.46 76.88,81.43 77.57,77.45 U16.5 U16.4
